# Altium PCB Evaluation Board.PcbDoc (part 12 of 22)
Units mm, origin at the board's own origin, x right, y up, seen from the top; angles counter-clockwise.
Board outline 200 x 200 mm, 4 copper layers (Top Layer, GND, Power, Bottom Layer), stack 1.56 mm thick; 639 components, 758 nets, 3043 pads, 1306 vias.
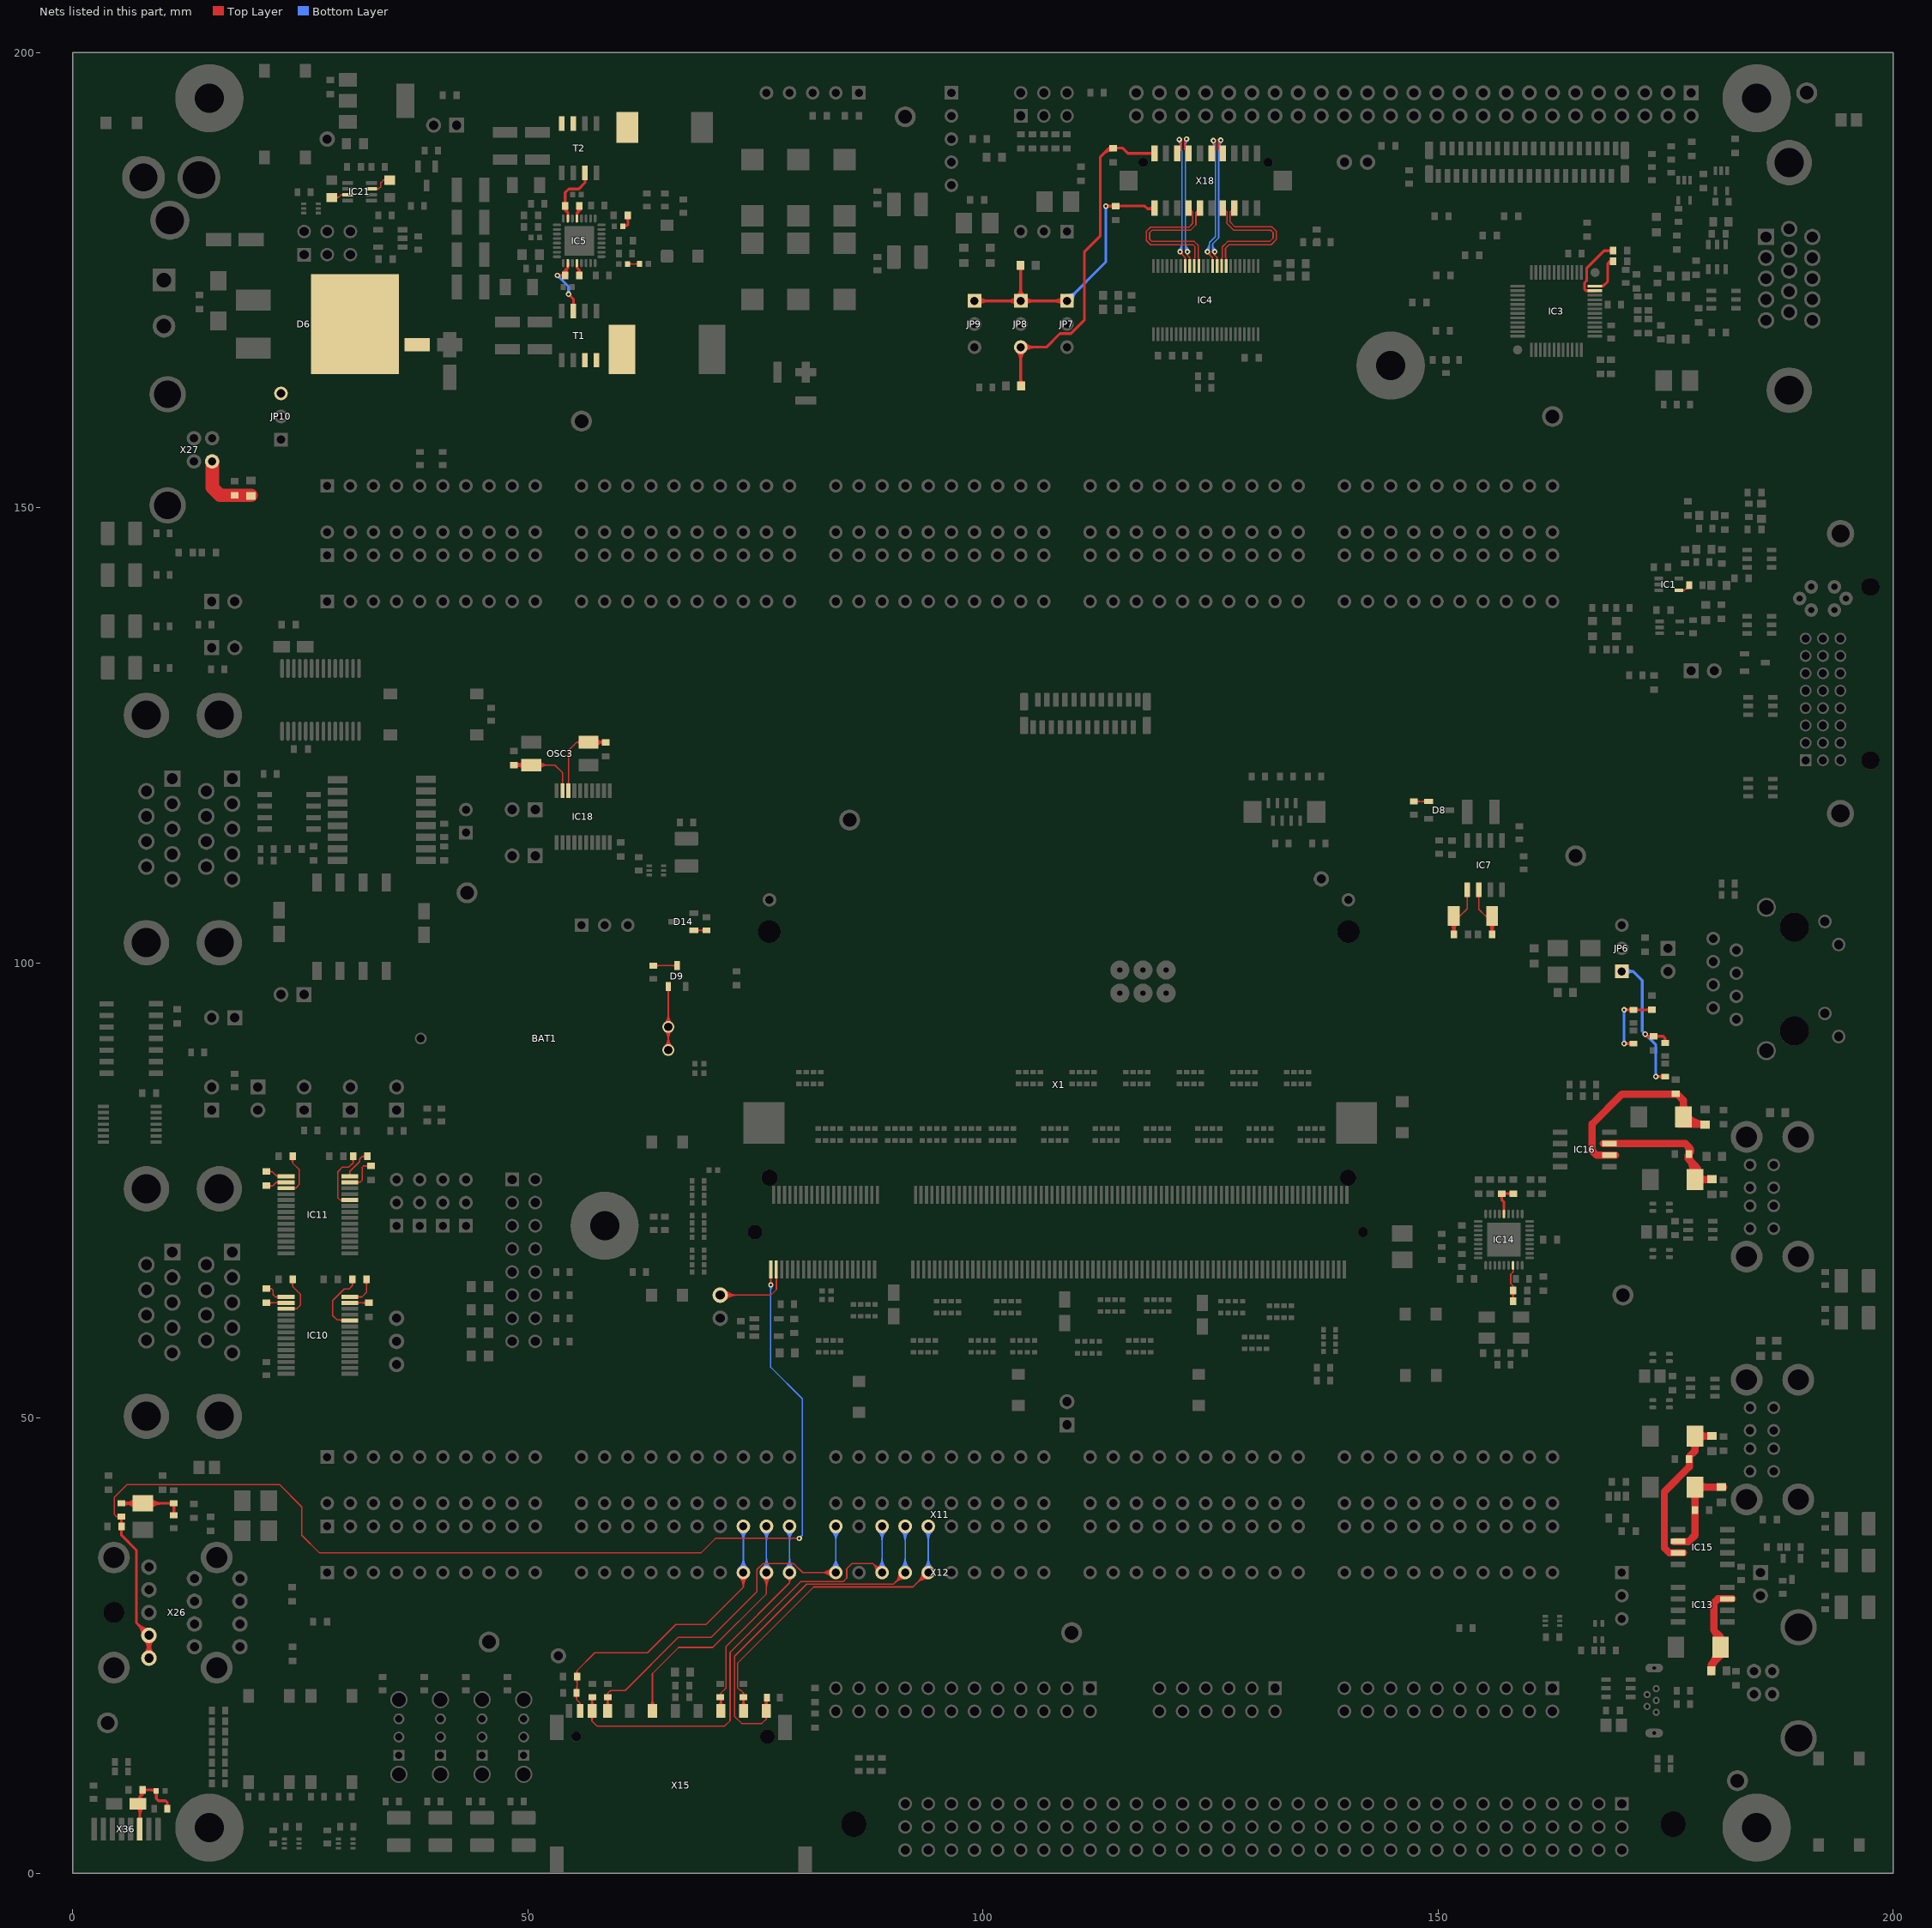
[diagram p14: the nets of this part, all layers, seen from the top]

## Via types
v1: diameter 0.6, hole 0.3, Top Layer to Bottom Layer, 1222 vias
v2: diameter 0.6, hole 0.3, Top Layer to Bottom Layer, tented both sides, 84 vias

## Nets (pads, with @x,y where several pads share a name; then routed paths per layer and width w, separated by ;. In a path a pad name is that pad's centre, name@x,y a point inside that pad or via, vN(x,y) a via of type N, cw(c..) or ccw(c..) an arc to the next point about the centre after c; other vN are vias at no path point) (continued)
LVDS_3.3V: C51.2 JP7.1 JP8.1 JP9.1 L13.2 X18.2 | length 49.7
  Top Layer w0.3: JP9.1@99.06,172.72 JP8.1@104.14,172.72 ; JP9.1@99.484,172.296 cw(c100.509,171.271) 100.509,172.72 cw(c100.509,174.169) JP9.1@99.484,173.144 ; JP8.1@103.716,172.296 ccw(c102.691,171.271) 102.691,172.72 ccw(c102.691,174.169) 103.716,173.144 ccw(c102.691,174.169) 104.14,174.169 ccw(c105.589,174.169) 104.564,173.144 ccw(c105.589,174.169) 105.589,172.72 ccw(c105.589,171.271) JP8.1@104.564,172.296 ; L13.2@103.898,176.371 cw(c103.315,175.787) 104.14,175.787 ; 104.14,175.981 cw(c104.691,175.981) L13.2@104.302,176.371 ; L13.2@104.14,176.637 JP8.1@104.14,172.72 ; JP7.1@108.796,172.296 ccw(c107.771,171.271) 107.771,172.72 ccw(c107.771,174.169) JP7.1@108.796,173.144 ; JP7.1@109.22,172.72 JP8.1@104.14,172.72 ; v1(113.487,183.134) 114.541,183.134 C51.2@114.554,183.147 117.767,183.147 118.059,182.855 118.762,182.855 X18.2@118.835,182.928 ; v1@113.593,183.028 cw(c113.849,182.772) 113.849,183.134 cw(c113.849,183.496) v1@113.593,183.24 ; 113.965,183.134 ccw(c113.965,183.661) C51.2@114.338,183.288 ; 114.028,183.134 cw(c114.028,182.696) C51.2@114.338,183.006 ; C51.2@114.77,183.006 cw(c115.112,182.664) 115.112,183.147 cw(c115.112,183.63) C51.2@114.77,183.288 ; 118.175,182.855 ccw(c118.175,183.588) X18.2@118.694,183.069
  Bottom Layer w0.3: JP7.1@109.22,172.72 113.487,176.987 v1(113.487,183.134) ; JP7.1@109.22,173.32 ccw(c109.22,174.769) 110.244,173.744 ccw(c111.269,172.72) JP7.1@109.82,172.72 ; v1@113.381,183.028 cw(c113.125,182.772) 113.487,182.772 cw(c113.849,182.772) v1@113.593,183.028
LVDS_5V: C50.2 JP8.3 L12.2 X18.1 | length 47
  Top Layer w0.3: JP8.3@103.716,167.216 cw(c102.691,166.191) 104.14,166.191 cw(c105.589,166.191) 104.564,167.216 cw(c105.589,166.191) 105.589,167.64 cw(c105.589,169.089) JP8.3@104.564,168.064 ; L12.2@103.978,163.641 ccw(c103.588,164.031) 104.14,164.031 ; L12.2@104.14,163.375 JP8.3@104.14,167.64 106.959,167.64 108.449,169.13 109.655,169.13 111.125,170.6 111.125,178.105 112.887,179.867 112.887,188.537 113.847,189.497 ; 104.14,164.225 ccw(c104.965,164.225) L12.2@104.382,163.641 ; 113.238,188.888 cw(c114.225,187.902) C50.2@114.225,189.297 ; 113.75,189.4 cw(c114.225,188.926) C50.2@114.225,189.597 ; C50.2@114.06,189.385 ccw(c113.847,189.24) 113.847,189.497 ; C50.2@114.06,189.61 cw(c113.847,189.754) 113.847,189.497 ; C50.2@114.516,189.356 cw(c114.925,188.947) 114.925,189.525 ; C50.2@114.516,189.638 ccw(c114.79,189.912) 114.79,189.525 ; X18.1@118.694,188.787 ccw(c118.352,188.445) 118.352,188.928 ccw(c118.352,189.411) X18.1@118.694,189.069 ; X18.1@118.835,188.928 115.906,188.928 115.309,189.525 114.328,189.525 C50.2@114.3,189.497 113.847,189.497
LVDS_CLK_N: IC4.33 X18.14 | length 16.4
  Top Layer w0.152: IC4.33@126.158,177.198 ccw(c126.032,177.324) 126.21,177.324 ccw(c126.388,177.324) IC4.33@126.262,177.198 ; IC4.33@126.21,176.546 126.21,177.387 126.282,177.459 126.282,178.66 126.872,179.25 131.497,179.25 131.869,179.622 131.869,180.228 131.603,180.494 127.528,180.494 126.797,181.225 126.797,182.466 X18.14@126.335,182.928
LVDS_CLK_P: IC4.32 X18.16 | length 16.4
  Top Layer w0.152: IC4.32@126.658,177.198 ccw(c126.532,177.324) 126.71,177.324 ccw(c126.888,177.324) IC4.32@126.762,177.198 ; IC4.32@126.71,176.546 126.71,177.387 126.638,177.459 126.638,178.513 127.019,178.894 131.644,178.894 132.225,179.475 132.225,180.375 131.75,180.85 127.675,180.85 127.125,181.4 127.125,182.468 X18.16@127.585,182.928
LVDS_OUT0_N: IC4.41 X18.5 | length 23.4
  Top Layer w0.152: X18.5@121.335,188.928 121.782,189.375 121.782,190.226 v1(121.558,190.45) ; v1@121.508,190.4 cw(c120.846,189.737) 121.782,189.737 ; v1@121.616,190.507 cw(c121.214,190.105) 121.782,190.105 ; v1@121.647,177.901 cw(c121.647,177.574) 121.878,177.805 ; v1(121.647,178.125) 121.647,178.037 122.21,177.473 IC4.41@122.21,176.546 ; v1@121.655,190.248 cw(c121.703,190.147) 121.782,190.226 cw(c121.861,190.305) v1@121.76,190.354 ; v1@121.718,178.125 ccw(c122.104,178.125) 121.831,177.852 ; v1@121.871,178.125 ccw(c122.624,178.125) 122.091,177.592 ; IC4.41@122.158,177.198 ccw(c122.032,177.324) 122.21,177.324 ccw(c122.388,177.324) IC4.41@122.262,177.198
  Bottom Layer w0.152: v1@121.4,190.292 cw(c120.495,189.387) 121.775,189.387 ; v1@121.489,178.283 ccw(c120.566,179.206) 121.871,179.206 ; v1@121.508,190.4 cw(c120.863,189.755) 121.775,189.755 ; v1(121.558,190.45) 121.775,190.233 121.775,189.246 121.871,189.15 121.871,178.349 v1(121.647,178.125) ; v1@121.596,178.175 ccw(c120.934,178.838) 121.871,178.838 ; v1@121.616,190.507 cw(c121.231,190.123) 121.775,190.123 ; v1@121.704,178.068 ccw(c121.302,178.47) 121.871,178.47
LVDS_OUT0_P: IC4.40 X18.7 | length 22.8
  Top Layer w0.152: 122.138,189.787 cw(c123.074,189.787) v1@122.412,190.45 ; 122.138,190.155 cw(c122.706,190.155) v1@122.304,190.557 ; v1@122.16,190.404 cw(c122.059,190.355) 122.138,190.276 ; v1@122.265,190.298 ccw(c122.217,190.197) 122.138,190.276 ; v1@122.338,177.931 cw(c122.224,177.736) 122.45,177.736 ; v1(122.362,190.5) 122.138,190.276 ; v1(122.45,178.125) 122.45,177.736 ; v1@122.562,177.931 ccw(c122.676,177.736) 122.45,177.736 ; X18.7@122.585,188.928 122.138,189.375 122.138,190.276 ; IC4.40@122.658,177.198 ccw(c122.532,177.324) 122.71,177.324 ccw(c122.888,177.324) IC4.40@122.762,177.198 ; IC4.40@122.71,176.546 122.71,177.476 122.45,177.736
  Bottom Layer w0.152: 122.138,189.419 cw(c123.442,189.419) v1@122.52,190.342 ; 122.138,189.787 cw(c123.074,189.787) v1@122.412,190.45 ; 122.138,190.155 cw(c122.706,190.155) v1@122.304,190.557 ; 122.226,178.47 ccw(c122.795,178.47) v1@122.393,178.068 ; 122.226,178.838 ccw(c123.163,178.838) v1@122.5,178.175 ; 122.226,179.206 ccw(c123.531,179.206) v1@122.608,178.283 ; v1(122.362,190.5) 122.138,190.276 122.138,189.4 122.131,189.393 122.226,189.297 122.226,178.349 v1(122.45,178.125)
LVDS_OUT1_N: IC4.39 X18.8 | length 16.4
  Top Layer w0.152: X18.8@122.585,182.928 123.032,182.481 123.032,181.232 122.631,180.831 118.403,180.831 117.944,180.372 117.944,179.353 118.403,178.894 123.056,178.894 123.282,178.668 123.282,177.459 123.21,177.387 IC4.39@123.21,176.546 ; IC4.39@123.158,177.198 ccw(c123.032,177.324) 123.21,177.324 ccw(c123.388,177.324) IC4.39@123.262,177.198
LVDS_OUT1_P: IC4.38 X18.10 | length 16.4
  Top Layer w0.152: IC4.38@123.658,177.198 ccw(c123.532,177.324) 123.71,177.324 ccw(c123.888,177.324) IC4.38@123.762,177.198 ; IC4.38@123.71,176.546 123.71,177.387 123.638,177.459 123.638,178.815 123.203,179.25 118.55,179.25 118.3,179.5 118.3,180.225 118.55,180.475 122.778,180.475 123.388,181.085 123.388,182.481 X18.10@123.835,182.928
LVDS_OUT2_N: IC4.35 X18.11 | length 23.2
  Top Layer w0.152: v1@124.558,178.125 124.603,178.081 125.21,177.473 IC4.35@125.21,176.546 ; v1@124.647,177.901 cw(c124.647,177.574) 124.878,177.805 ; v1@124.718,178.125 ccw(c125.104,178.125) 124.831,177.852 ; v1@124.871,178.125 ccw(c125.624,178.125) 125.091,177.592 ; X18.11@125.085,188.928 125.532,189.375 125.532,190.101 ; IC4.35@125.158,177.198 ccw(c125.032,177.324) 125.21,177.324 ccw(c125.388,177.324) IC4.35@125.262,177.198 ; v1@125.262,190.271 cw(c124.755,189.681) 125.532,189.681 ; v1(125.308,190.325) 125.532,190.101 ; v1@125.361,190.386 cw(c125.041,190.014) 125.532,190.014 ; v1@125.405,190.123 cw(c125.453,190.022) 125.532,190.101 ; v1@125.51,190.229 ccw(c125.611,190.18) 125.532,190.101
  Bottom Layer w0.152: v1@124.496,178.291 ccw(c123.739,179.125) 124.866,179.125 ; v1@124.599,178.178 ccw(c124.051,178.781) 124.866,178.781 ; v1(124.647,178.125) 124.866,178.344 124.866,179.126 ; v1@124.701,178.065 ccw(c124.363,178.437) 124.866,178.437 ; v1@125.15,190.167 cw(c124.228,189.244) 125.532,189.244 ; v1@125.258,190.275 cw(c124.596,189.612) 125.532,189.612 ; v1(125.308,190.325) 125.532,190.101 125.532,179.792 124.866,179.126 ; v1@125.366,190.382 cw(c124.964,189.98) 125.532,189.98
LVDS_OUT2_P: IC4.34 X18.13 | length 22.3
  Top Layer w0.152: v1@125.338,177.931 cw(c125.224,177.736) 125.45,177.736 ; v1(125.45,178.125) 125.45,177.736 ; v1@125.562,177.931 ccw(c125.676,177.736) 125.45,177.736 ; IC4.34@125.658,177.198 ccw(c125.532,177.324) 125.71,177.324 ccw(c125.888,177.324) IC4.34@125.762,177.198 ; IC4.34@125.71,176.546 125.71,177.476 125.45,177.736 ; 125.888,189.699 cw(c126.737,189.699) v1@126.16,190.323 ; 125.888,190.048 cw(c126.414,190.048) v1@126.057,190.434 ; v1@125.91,190.279 cw(c125.809,190.23) 125.888,190.151 ; v1@126.015,190.173 ccw(c125.967,190.072) 125.888,190.151 ; v1(126.112,190.375) 125.888,190.151 ; X18.13@126.335,188.928 125.888,189.375 125.888,190.151
  Bottom Layer w0.152: 125.222,178.403 ccw(c125.639,178.403) v1@125.404,178.058 ; 125.222,178.691 ccw(c125.834,178.691) v1@125.49,178.184 ; v1(125.45,178.125) 125.45,178.141 125.222,178.369 125.222,178.978 ; v1@125.576,178.31 cw(c126.029,178.978) 125.222,178.978 ; 125.888,189.294 cw(c127.192,189.294) v1@126.27,190.217 ; 125.888,189.662 cw(c126.824,189.662) v1@126.162,190.325 ; 125.888,190.03 cw(c126.456,190.03) v1@126.054,190.432 ; v1(126.112,190.375) 125.888,190.151 125.888,179.644 125.222,178.978
MIC_GND: TP1.1 X1.3 | length 16.1
  Top Layer w0.15: TP1.1@71.12,63.5 76.683,63.5 77.292,64.11 77.292,66.306 X1.3@77.282,66.316 ; TP1.1@71.456,63.164 cw(c72.267,62.353) 72.267,63.5 cw(c72.267,64.647) TP1.1@71.456,63.836 ; TP1.1@71.562,63.058 cw(c72.629,61.991) 72.629,63.5 cw(c72.629,65.009) TP1.1@71.562,63.942 ; TP1.1@71.668,62.952 cw(c72.991,61.629) 72.991,63.5 cw(c72.991,65.371) TP1.1@71.668,64.048 ; X1.3@77.211,65.421 cw(c77.016,65.225) 77.292,65.225 ; 77.292,65.275 cw(c77.499,65.275) X1.3@77.353,65.421
MIC_IN: C9.2 R1.2 X1.1 X26.4 X26.5 | length 154.8
  Top Layer w0.15: R1.2@5.023,39.038 ccw(c4.777,38.88) 4.777,39.173 ; R1.2@5.023,39.308 cw(c4.777,39.465) 4.777,39.173 ; R1.2@5.334,39.173 4.777,39.173 ; X26.5@8.35,23.625 X26.5@8.426,23.549 ; v1@76.523,64.777 ccw(c76.139,65.161) 76.682,65.161 ccw(c77.225,65.161) v1@76.841,64.777 ; X1.1@76.611,65.421 cw(c76.441,65.25) 76.682,65.25 cw(c76.923,65.25) X1.1@76.753,65.421 ; v1(76.682,64.618) X1.1@76.682,66.316 ; v1(79.8,36.775) 70.599,36.775 68.999,35.175 27.1,35.175 25.15,37.125 25.15,40.243 22.693,42.701 5.951,42.701 4.55,41.3 4.55,39.4 4.777,39.173
  Top Layer w0.3: C9.2@5.193,37.884 cw(c4.851,37.542) 5.334,37.542 cw(c5.817,37.542) C9.2@5.475,37.884 ; C9.2@5.193,38.316 ccw(c4.851,38.658) 5.334,38.658 ccw(c5.817,38.658) C9.2@5.475,38.316 ; R1.2@5.21,39.049 cw(c4.912,38.75) 5.334,38.75 cw(c5.756,38.75) R1.2@5.458,39.049 ; R1.2@5.334,39.173 C9.2@5.334,38.1 5.334,37.116 6.975,35.475 6.975,27.5 X26.4@8.35,26.125 X26.5@8.35,23.625 ; X26.4@7.65,26.125 ccw(c5.96,26.125) 7.155,27.32 ccw(c8.35,28.515) X26.4@8.35,26.825 ; X26.5@7.855,24.12 ccw(c6.66,25.315) 8.35,25.315 ccw(c10.04,25.315) X26.5@8.845,24.12 ; X26.4@7.855,25.63 cw(c6.66,24.435) 8.35,24.435 cw(c10.04,24.435) X26.4@8.845,25.63 ; X26.4@7.95,26.125 ccw(c6.985,26.125) 7.667,26.808 ccw(c8.35,27.49) X26.4@8.35,26.525 ; X26.5@7.951,24.2 ccw(c7.566,24.754) 8.218,24.929 ; X26.5@8,24.231 ccw(c7.513,25.074) 8.454,24.822 ; X26.5@8.067,23.908 ccw(c7.385,24.59) 8.35,24.59 ; X26.4@8.067,25.842 cw(c7.385,25.159) 8.35,25.159 cw(c9.316,25.159) X26.4@8.633,25.842 ; X26.5@8.122,23.953 ccw(c7.824,24.382) 8.328,24.517 ; 8.246,24.822 ccw(c9.187,25.075) X26.5@8.7,24.231 ; 8.35,24.59 ccw(c9.316,24.59) X26.5@8.633,23.908 ; 8.372,24.517 ccw(c8.876,24.382) X26.5@8.578,23.953 ; 8.483,24.929 ccw(c9.135,24.754) X26.5@8.75,24.2
  Bottom Layer w0.15: v1@76.523,64.459 cw(c76.156,64.091) 76.675,64.091 ; 76.675,64.058 cw(c77.242,64.058) v1@76.841,64.459 ; v1(76.682,64.618) 76.675,64.611 76.675,55.578 80.145,52.108 80.145,37.12 ; v1(79.8,36.775) 80.145,37.12 ; v1@79.818,36.999 ccw(c79.851,37.414) 80.145,37.12 ; v1@80.024,36.793 cw(c80.439,36.826) 80.145,37.12
MM_CD: C96.2 R60.1 X11.A18 X12.18 X15.10 | length 55.8
  Top Layer w0.15: R60.1@55.158,19.535 cw(c54.731,19.108) 55.335,19.108 cw(c55.939,19.108) R60.1@55.512,19.535 ; R60.1@55.158,20.089 ccw(c54.611,20.636) 55.385,20.636 ; C96.2@55.191,21.321 cw(c54.721,20.851) 55.385,20.851 cw(c56.049,20.851) C96.2@55.579,21.321 ; C96.2@55.207,21.874 ccw(c54.879,22.26) 55.385,22.26 ; R60.1@55.264,19.983 ccw(c54.973,20.274) 55.385,20.274 ; 55.385,20.395 ccw(c55.818,20.395) R60.1@55.512,20.089 ; C96.2@55.563,21.874 cw(c55.891,22.26) 55.385,22.26 ; X15.10@55.579,18.446 ccw(c55.442,18.684) 55.716,18.684 ; X15.10@55.716,17.808 55.716,18.684 ; X15.10@55.853,18.446 cw(c55.99,18.684) 55.716,18.684 ; X12.18@73.19,32.535 cw(c72.117,31.427) 73.66,31.427 ; X12.18@73.295,32.643 cw(c72.46,31.781) 73.66,31.781 cw(c74.86,31.781) X12.18@74.025,32.643 ; X12.18@73.399,32.751 cw(c72.803,32.135) 73.66,32.135 cw(c74.517,32.135) X12.18@73.921,32.751 ; X12.18@73.66,33.02 73.66,31.427 ; X12.18@74.13,32.535 ccw(c75.203,31.427) 73.66,31.427 ; 55.385,22.26 C96.2@55.385,21.59 55.385,19.862 R60.1@55.335,19.812 55.335,19.065 55.716,18.684 ; 55.385,22.26 57.325,24.2 63.125,24.2 66.25,27.325 69.558,27.325 73.66,31.427
  Bottom Layer w0.15: X12.18@73.183,33.497 ccw(c72.03,34.65) 73.66,34.65 ccw(c75.29,34.65) X12.18@74.137,33.497 ; X11.A18@73.183,37.623 cw(c72.03,36.47) 73.66,36.47 cw(c75.29,36.47) X11.A18@74.137,37.623 ; X12.18@73.289,33.391 ccw(c72.393,34.287) 73.66,34.287 ccw(c74.927,34.287) X12.18@74.031,33.391 ; X11.A18@73.289,37.729 cw(c72.393,36.833) 73.66,36.833 cw(c74.927,36.833) X11.A18@74.031,37.729 ; X12.18@73.395,33.285 ccw(c72.755,33.925) 73.66,33.925 ccw(c74.565,33.925) X12.18@73.925,33.285 ; X11.A18@73.395,37.835 cw(c72.755,37.195) 73.66,37.195 cw(c74.565,37.195) X11.A18@73.925,37.835 ; X12.18@73.66,33.02 X11.A18@73.66,38.1
MM_CLK: X11.A19 X12.19 X15.5 | length 48.2
  Top Layer w0.15: X15.5@63.375,18.359 ccw(c62.65,19.084) 63.676,19.084 ccw(c64.702,19.084) X15.5@63.977,18.359 ; X15.5@63.482,18.252 ccw(c63.012,18.722) 63.676,18.722 ccw(c64.34,18.722) X15.5@63.87,18.252 ; X15.5@63.676,17.808 63.676,21.926 66.55,24.8 70.3,24.8 76.2,30.7 X12.19@76.2,33.02 ; X12.19@75.723,32.543 cw(c74.57,31.39) 76.2,31.39 cw(c77.83,31.39) X12.19@76.677,32.543 ; X12.19@75.829,32.649 cw(c74.933,31.753) 76.2,31.753 cw(c77.467,31.753) X12.19@76.571,32.649 ; X12.19@75.935,32.755 cw(c75.295,32.115) 76.2,32.115 cw(c77.105,32.115) X12.19@76.465,32.755
  Bottom Layer w0.15: X12.19@75.723,33.497 ccw(c74.57,34.65) 76.2,34.65 ccw(c77.83,34.65) X12.19@76.677,33.497 ; X11.A19@75.723,37.623 cw(c74.57,36.47) 76.2,36.47 cw(c77.83,36.47) X11.A19@76.677,37.623 ; X12.19@75.829,33.391 ccw(c74.933,34.287) 76.2,34.287 ccw(c77.467,34.287) X12.19@76.571,33.391 ; X11.A19@75.829,37.729 cw(c74.933,36.833) 76.2,36.833 cw(c77.467,36.833) X11.A19@76.571,37.729 ; X12.19@75.935,33.285 ccw(c75.295,33.925) 76.2,33.925 ccw(c77.105,33.925) X12.19@76.465,33.285 ; X11.A19@75.935,37.835 cw(c75.295,37.195) 76.2,37.195 cw(c77.105,37.195) X11.A19@76.465,37.835 ; X12.19@76.2,33.02 X11.A19@76.2,38.1
MM_CMD: R50.1 X11.A20 X12.20 X15.2 | length 43
  Top Layer w0.15: X15.2@70.875,18.359 ccw(c70.15,19.084) 71.176,19.084 ccw(c72.202,19.084) X15.2@71.477,18.359 ; X15.2@70.982,18.252 ccw(c70.512,18.722) 71.176,18.722 ccw(c71.84,18.722) X15.2@71.37,18.252 ; R50.1@71.043,19.164 cw(c70.723,18.844) 71.176,18.844 ; R50.1@71.071,19.542 ccw(c70.915,19.751) 71.176,19.751 ; R50.1@71.094,19.125 cw(c70.974,18.921) 71.203,18.981 ; X15.2@71.176,17.808 71.176,19.751 ; 71.176,18.631 cw(c71.93,18.631) R50.1@71.397,19.164 ; 71.176,18.993 cw(c71.568,18.993) R50.1@71.291,19.27 ; 71.199,18.997 cw(c71.452,19.063) R50.1@71.284,19.264 ; 71.258,18.768 cw(c71.619,18.863) R50.1@71.38,19.149 ; R50.1@71.3,19.578 cw(c71.359,19.751) 71.176,19.751 ; X12.20@78.42,32.426 cw(c78.132,31.89) 78.74,31.89 ; X12.20@78.491,32.558 cw(c78.267,32.141) 78.74,32.141 cw(c79.213,32.141) X12.20@78.989,32.558 ; X12.20@78.74,33.02 78.74,31.89 ; X12.20@79.06,32.426 ccw(c79.348,31.89) 78.74,31.89 ; 71.176,19.751 71.77,20.345 71.77,24.92 78.74,31.89
  Bottom Layer w0.15: X12.20@78.263,33.497 ccw(c77.11,34.65) 78.74,34.65 ccw(c80.37,34.65) X12.20@79.217,33.497 ; X11.A20@78.263,37.623 cw(c77.11,36.47) 78.74,36.47 cw(c80.37,36.47) X11.A20@79.217,37.623 ; X12.20@78.369,33.391 ccw(c77.473,34.287) 78.74,34.287 ccw(c80.007,34.287) X12.20@79.111,33.391 ; X11.A20@78.369,37.729 cw(c77.473,36.833) 78.74,36.833 cw(c80.007,36.833) X11.A20@79.111,37.729 ; X12.20@78.475,33.285 ccw(c77.835,33.925) 78.74,33.925 ccw(c79.645,33.925) X12.20@79.005,33.285 ; X11.A20@78.475,37.835 cw(c77.835,37.195) 78.74,37.195 cw(c79.645,37.195) X11.A20@79.005,37.835 ; X12.20@78.74,33.02 X11.A20@78.74,38.1
MM_DAT_0: R54.1 X11.A21 X12.21 X15.7 | length 63
  Top Layer w0.15: X15.7@58.455,18.359 ccw(c57.73,19.084) 58.756,19.084 ccw(c59.782,19.084) X15.7@59.057,18.359 ; X15.7@58.562,18.252 ccw(c58.092,18.722) 58.756,18.722 ccw(c59.42,18.722) X15.7@58.95,18.252 ; R54.1@58.57,19.106 cw(c58.5,18.914) 58.698,18.862 ; R54.1@58.579,19.164 cw(c58.152,18.737) 58.756,18.737 cw(c59.36,18.737) R54.1@58.933,19.164 ; R54.1@58.622,19.247 cw(c58.557,19.069) R54.1@58.74,19.022 ; R54.1@58.639,19.562 ccw(c58.537,19.756) 58.756,19.756 ; X15.7@58.756,17.808 R54.1@58.756,19.341 58.756,19.756 ; R54.1@58.772,19.022 cw(c58.955,19.069) R54.1@58.89,19.247 ; 58.814,18.862 cw(c59.012,18.914) R54.1@58.942,19.106 ; R54.1@58.873,19.562 cw(c58.975,19.756) 58.756,19.756 ; X12.21@83.343,32.543 ccw(c82.19,31.39) 82.19,33.02 ccw(c82.19,34.65) X12.21@83.343,33.497 ; X12.21@83.449,32.649 ccw(c82.553,31.753) 82.553,33.02 ccw(c82.553,34.287) X12.21@83.449,33.391 ; X12.21@83.555,32.755 ccw(c82.915,32.115) 82.915,33.02 ccw(c82.915,33.925) X12.21@83.555,33.285 ; X12.21@83.82,33.02 80.18,33.02 79.205,33.995 75.796,33.995 75.15,33.349 75.15,30.925 70.125,25.9 66.5,25.9 60.675,20.075 59.075,20.075 58.756,19.756
  Bottom Layer w0.15: X12.21@83.343,33.497 ccw(c82.19,34.65) 83.82,34.65 ccw(c85.45,34.65) X12.21@84.297,33.497 ; X11.A21@83.343,37.623 cw(c82.19,36.47) 83.82,36.47 cw(c85.45,36.47) X11.A21@84.297,37.623 ; X12.21@83.449,33.391 ccw(c82.553,34.287) 83.82,34.287 ccw(c85.087,34.287) X12.21@84.191,33.391 ; X11.A21@83.449,37.729 cw(c82.553,36.833) 83.82,36.833 cw(c85.087,36.833) X11.A21@84.191,37.729 ; X12.21@83.555,33.285 ccw(c82.915,33.925) 83.82,33.925 ccw(c84.725,33.925) X12.21@84.085,33.285 ; X11.A21@83.555,37.835 cw(c82.915,37.195) 83.82,37.195 cw(c84.725,37.195) X11.A21@84.085,37.835 ; X12.21@83.82,33.02 X11.A21@83.82,38.1
MM_DAT_1: R53.1 X11.A23 X12.23 X15.8 | length 75.8
  Top Layer w0.15: X15.8@56.755,18.359 ccw(c56.03,19.084) 57.056,19.084 ccw(c58.082,19.084) X15.8@57.357,18.359 ; X15.8@56.786,17.23 cw(c56.371,16.724) 57.025,16.724 ; X15.8@56.862,18.252 ccw(c56.392,18.722) 57.056,18.722 ccw(c57.72,18.722) X15.8@57.25,18.252 ; R53.1@56.87,19.106 cw(c56.8,18.914) 56.998,18.862 ; R53.1@56.879,19.164 cw(c56.452,18.737) 57.056,18.737 cw(c57.66,18.737) R53.1@57.233,19.164 ; X15.8@56.881,17.345 cw(c56.632,17.042) 57.025,17.042 ; R53.1@56.922,19.247 cw(c56.857,19.069) R53.1@57.04,19.022 ; 57.025,16.999 cw(c57.414,16.999) X15.8@57.204,17.326 ; R53.1@57.056,19.341 X15.8@57.056,17.808 57.025,17.777 57.025,16.725 ; R53.1@57.072,19.022 cw(c57.255,19.069) R53.1@57.19,19.247 ; 57.114,18.862 cw(c57.312,18.914) R53.1@57.242,19.106 ; X15.8@57.285,17.2 ccw(c57.59,16.724) 57.025,16.724 ; X12.23@88.23,33.104 ccw(c87.168,33.238) 87.925,33.995 ; X12.23@88.379,33.086 ccw(c87.553,33.189) 88.142,33.778 ccw(c88.731,34.367) X12.23@88.834,33.541 ; X12.23@88.528,33.067 ccw(c87.938,33.141) 88.358,33.562 ccw(c88.779,33.982) X12.23@88.853,33.392 ; X12.23@88.816,33.69 cw(c88.682,34.752) 87.925,33.995 ; X12.23@88.9,33.02 87.925,33.995 ; 57.025,16.725 57.6,16.15 71.6,16.15 72.2,16.75 72.2,24.268 79.977,32.045 84.645,32.045 85.025,32.425 85.025,33.45 85.57,33.995 87.925,33.995
  Bottom Layer w0.15: X12.23@88.423,33.497 ccw(c87.27,34.65) 88.9,34.65 ccw(c90.53,34.65) X12.23@89.377,33.497 ; X11.A23@88.423,37.623 cw(c87.27,36.47) 88.9,36.47 cw(c90.53,36.47) X11.A23@89.377,37.623 ; X12.23@88.529,33.391 ccw(c87.633,34.287) 88.9,34.287 ccw(c90.167,34.287) X12.23@89.271,33.391 ; X11.A23@88.529,37.729 cw(c87.633,36.833) 88.9,36.833 cw(c90.167,36.833) X11.A23@89.271,37.729 ; X12.23@88.635,33.285 ccw(c87.995,33.925) 88.9,33.925 ccw(c89.805,33.925) X12.23@89.165,33.285 ; X11.A23@88.635,37.835 cw(c87.995,37.195) 88.9,37.195 cw(c89.805,37.195) X11.A23@89.165,37.835 ; X12.23@88.9,33.02 X11.A23@88.9,38.1